# KiCad board mackerel-30-v1.kicad_pcb
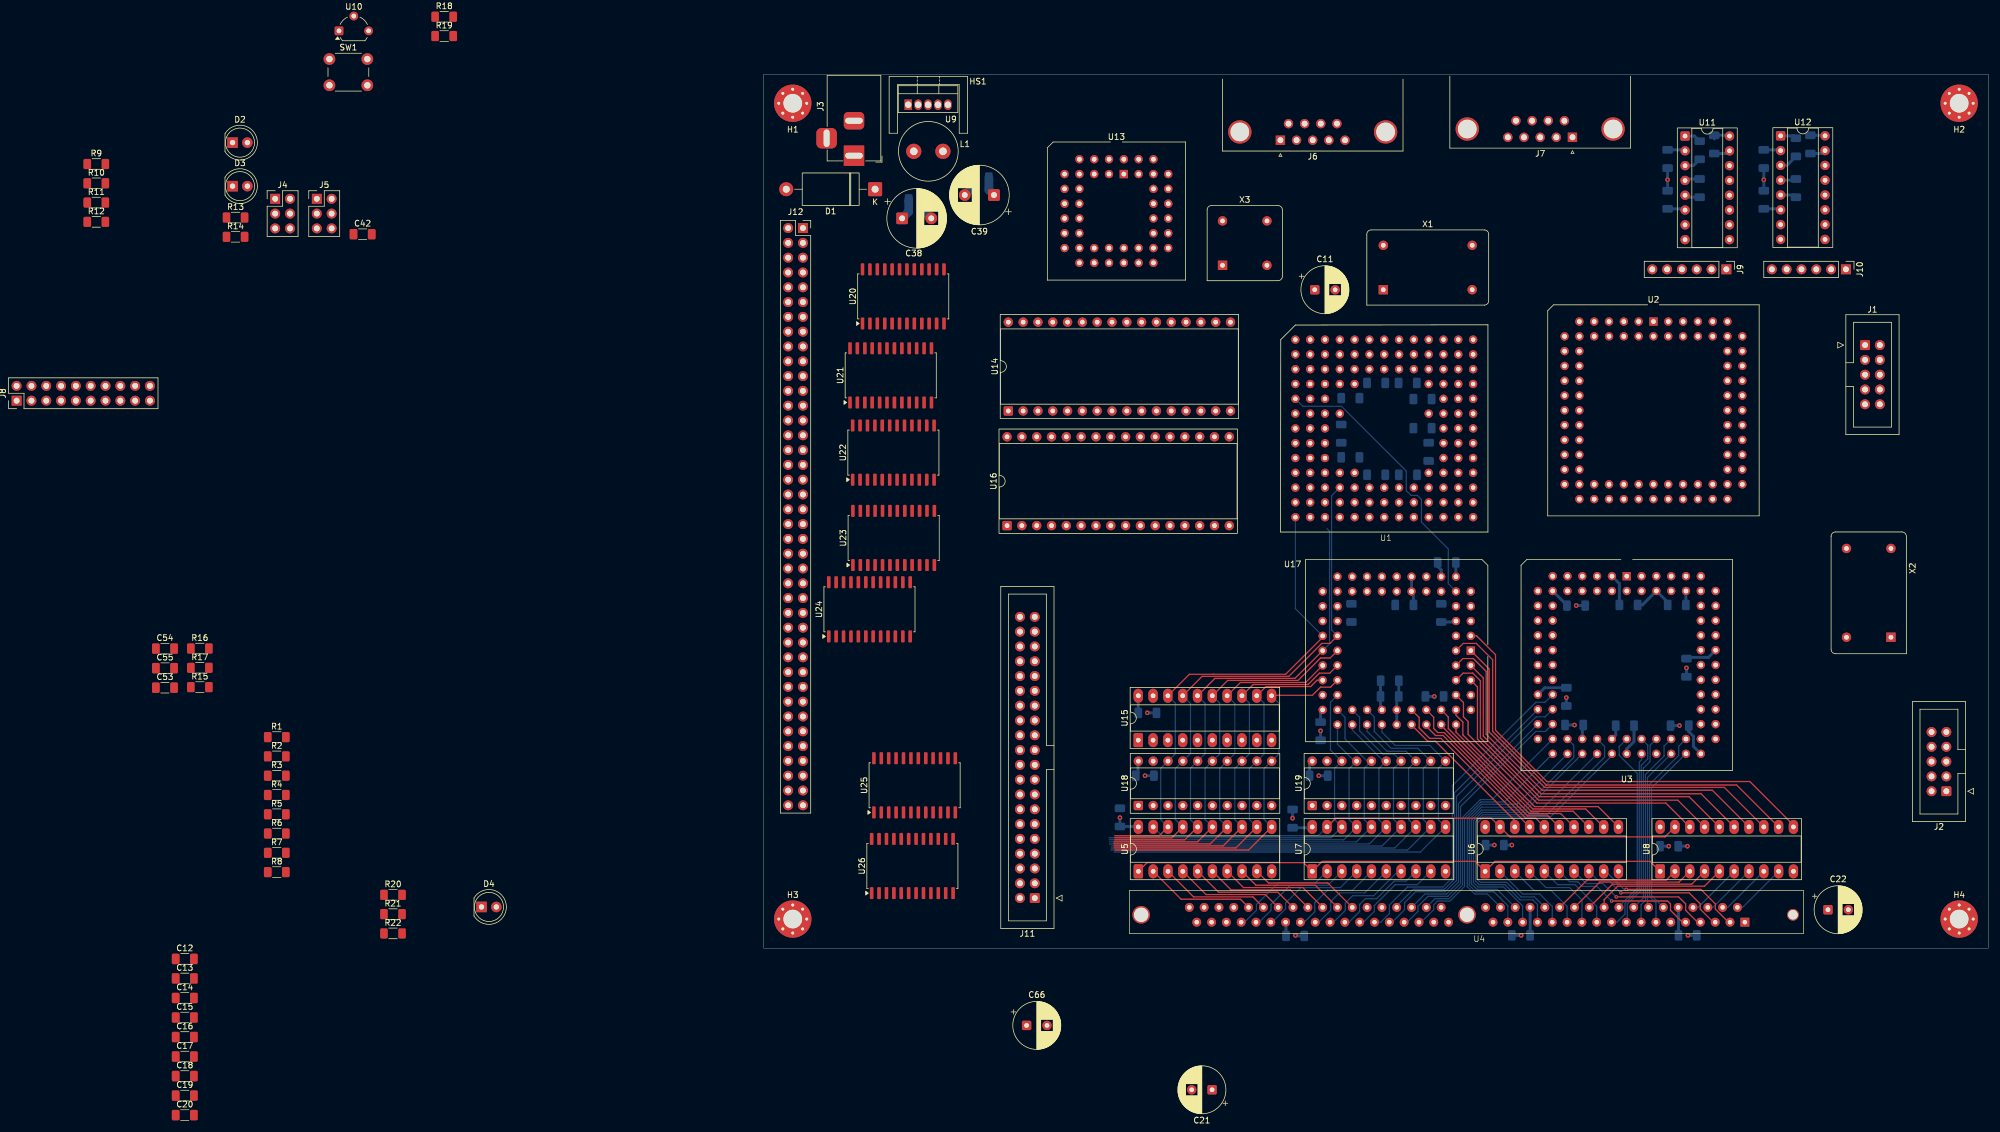
[diagram p0: board, top side]
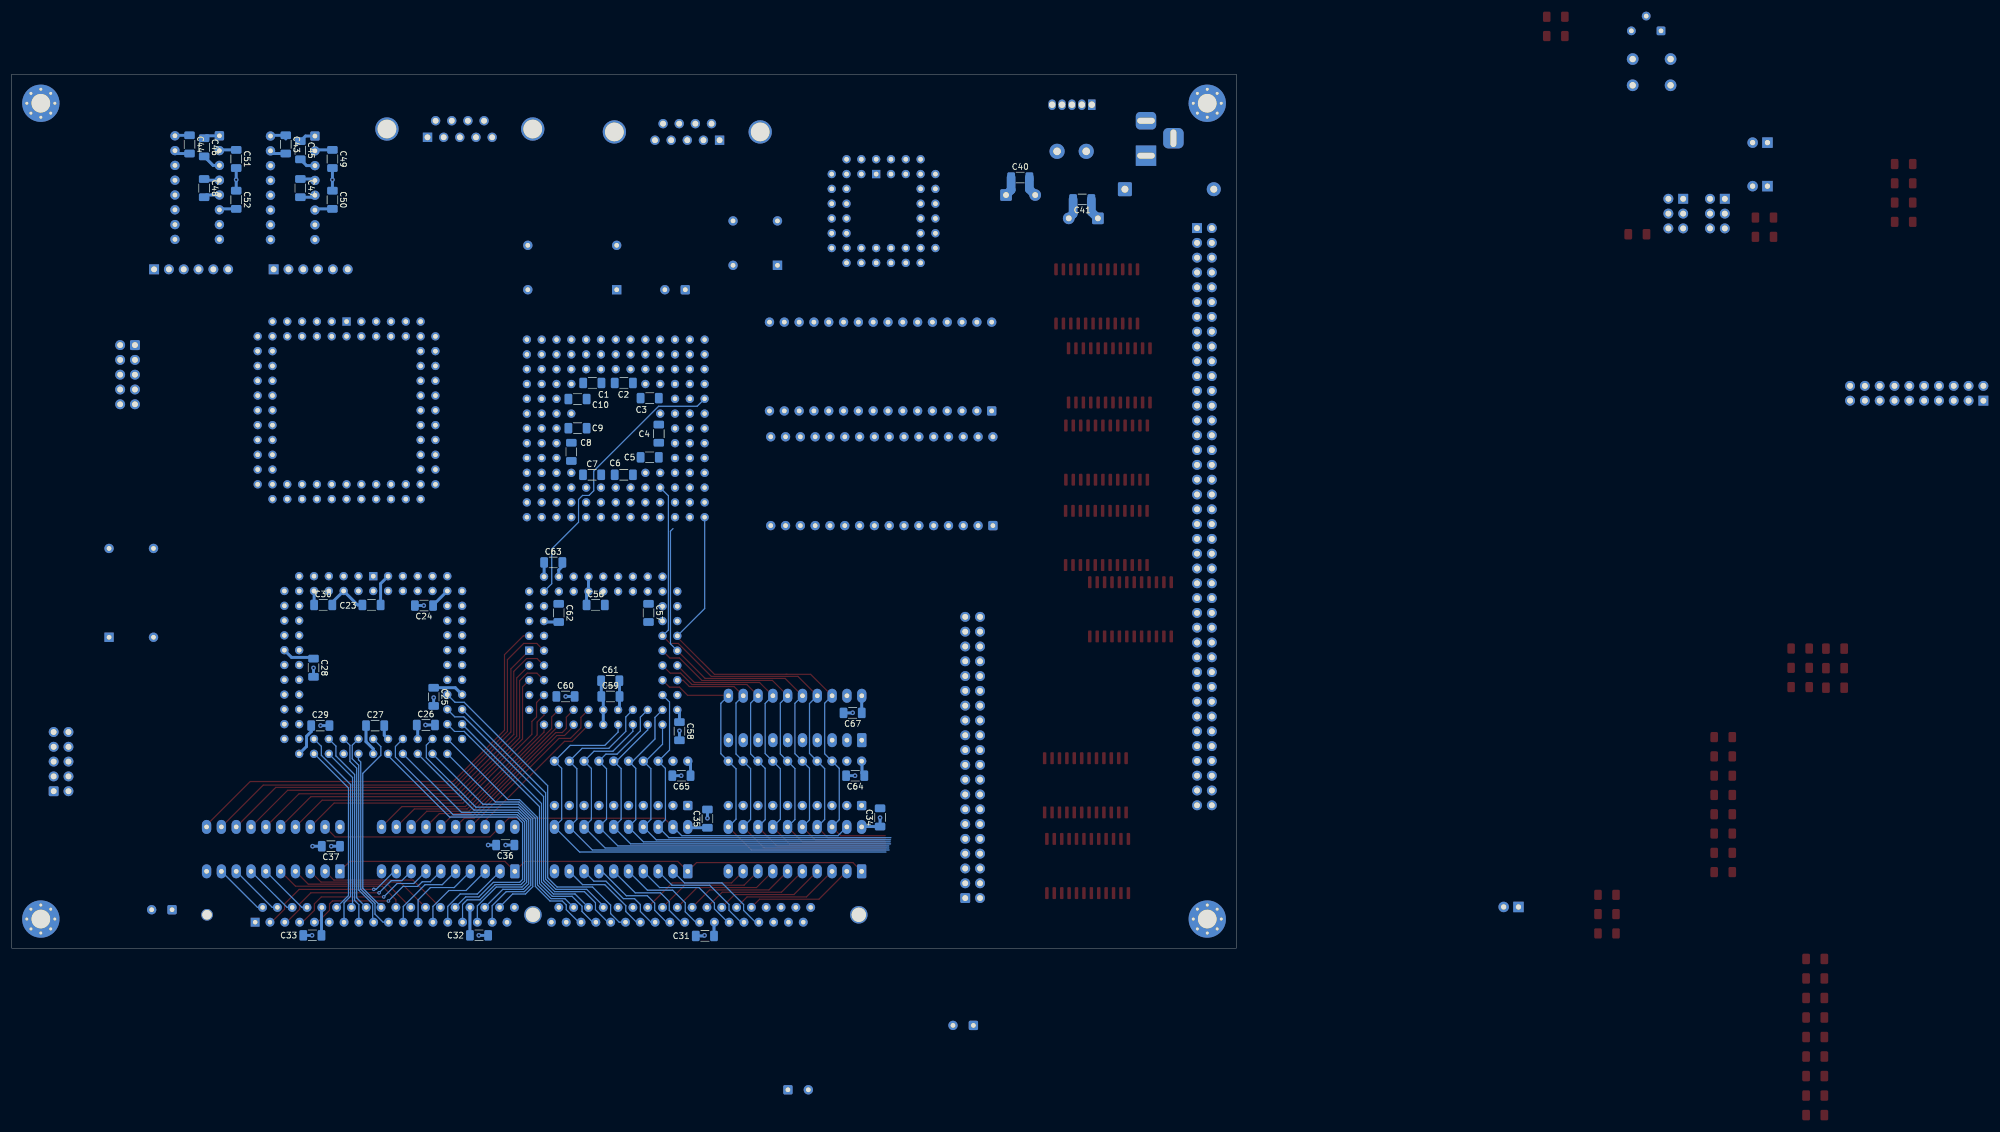
[diagram p1: board, bottom side, seen from below]

Outline 210 x 150 mm; copper layers: Top, In1.Cu, In2.Cu, Bottom. Coordinates in mm from the lower left corner of the outline.
Outline path: rectangle 0,150 210,0
Stack: Top 0.035mm / dielectric 0.1mm FR4 er 4.5 / In1.Cu 0.035mm / dielectric 1.24mm FR4 er 4.5 / In2.Cu 0.035mm / dielectric 0.1mm FR4 er 4.5 / Bottom 0.035mm

## Placement (name value [footprint] x y rotation side)
C1  0.1uF  [C_1206_3216Metric_Pad1.33x1.80mm_HandSolder]  110.44 97 180 bottom
C2  0.1uF  [C_1206_3216Metric_Pad1.33x1.80mm_HandSolder]  105.04 97 180 bottom
C3  0.1uF  [C_1206_3216Metric_Pad1.33x1.80mm_HandSolder]  100.6 94.4 0 bottom
C4  0.1uF  [C_1206_3216Metric_Pad1.33x1.80mm_HandSolder]  99.04 88.3 90 bottom
C5  0.1uF  [C_1206_3216Metric_Pad1.33x1.80mm_HandSolder]  100.6 84.24 0 bottom
C6  0.1uF  [C_1206_3216Metric_Pad1.33x1.80mm_HandSolder]  105.04 81.24 0 bottom
C7  0.1uF  [C_1206_3216Metric_Pad1.33x1.80mm_HandSolder]  110.48 81.24 180 bottom
C8  0.1uF  [C_1206_3216Metric_Pad1.33x1.80mm_HandSolder]  114.04 85.18 270 bottom
C9  0.1uF  [C_1206_3216Metric_Pad1.33x1.80mm_HandSolder]  112.98 89.24 180 bottom
C10  0.1uF  [C_1206_3216Metric_Pad1.33x1.80mm_HandSolder]  112.98 94.24 180 bottom
C11  470u  [CP_Radial_D8.0mm_P3.50mm]  94.5 113 0 top
C12  0.1uF  [C_1206_3216Metric_Pad1.33x1.80mm_HandSolder]  -99.25 -1.84 0 top
C13  0.1uF  [C_1206_3216Metric_Pad1.33x1.80mm_HandSolder]  -99.25 -5.19 0 top
C14  0.1uF  [C_1206_3216Metric_Pad1.33x1.80mm_HandSolder]  -99.25 -8.54 0 top
C15  0.1uF  [C_1206_3216Metric_Pad1.33x1.80mm_HandSolder]  -99.25 -11.9 0 top
C16  0.1uF  [C_1206_3216Metric_Pad1.33x1.80mm_HandSolder]  -99.25 -15.25 0 top
C17  0.1uF  [C_1206_3216Metric_Pad1.33x1.80mm_HandSolder]  -99.25 -18.59 0 top
C18  0.1uF  [C_1206_3216Metric_Pad1.33x1.80mm_HandSolder]  -99.25 -21.94 0 top
C19  0.1uF  [C_1206_3216Metric_Pad1.33x1.80mm_HandSolder]  -99.25 -25.29 0 top
C20  0.1uF  [C_1206_3216Metric_Pad1.33x1.80mm_HandSolder]  -99.25 -28.65 0 top
C21  470uF  [CP_Radial_D8.0mm_P3.50mm]  76.9 -24.3 180 top
C22  470uF  [CP_Radial_D8.0mm_P3.50mm]  182.5 6.6 0 top
C23  0.1uF  [C_1206_3216Metric_Pad1.33x1.80mm_HandSolder]  148.3 58.9 0 bottom
C24  0.1uF  [C_1206_3216Metric_Pad1.33x1.80mm_HandSolder]  139.3 58.8 0 bottom
C25  0.1uF  [C_1206_3216Metric_Pad1.33x1.80mm_HandSolder]  137.64 43.14 270 bottom
C26  0.1uF  [C_1206_3216Metric_Pad1.33x1.80mm_HandSolder]  138.98 38.3 180 bottom
C27  0.1uF  [C_1206_3216Metric_Pad1.33x1.80mm_HandSolder]  147.68 38.2 180 bottom
C28  0.1uF  [C_1206_3216Metric_Pad1.33x1.80mm_HandSolder]  158.24 48.14 270 bottom
C29  0.1uF  [C_1206_3216Metric_Pad1.33x1.80mm_HandSolder]  157.08 38.2 180 bottom
C30  0.1uF  [C_1206_3216Metric_Pad1.33x1.80mm_HandSolder]  156.58 58.9 180 bottom
C31  0.1uF  [C_1206_3216Metric_Pad1.33x1.80mm_HandSolder]  91.14 2.1 0 bottom
C32  0.1uF  [C_1206_3216Metric_Pad1.33x1.80mm_HandSolder]  129.86 2.2 180 bottom
C33  0.1uF  [C_1206_3216Metric_Pad1.33x1.80mm_HandSolder]  158.44 2.2 0 bottom
C34  0.1uF  [C_1206_3216Metric_Pad1.33x1.80mm_HandSolder]  61.1 22.44 90 bottom
C35  0.1uF  [C_1206_3216Metric_Pad1.33x1.80mm_HandSolder]  90.7 22.24 90 bottom
C36  0.1uF  [C_1206_3216Metric_Pad1.33x1.80mm_HandSolder]  125.36 17.7 0 bottom
C37  0.1uF  [C_1206_3216Metric_Pad1.33x1.80mm_HandSolder]  155.26 17.5 0 bottom
C38  1000uF  [CP_Radial_D10.0mm_P5.00mm]  23.75 125.25 0 top
C39  1000uF  [CP_Radial_D10.0mm_P5.00mm]  39.5 129.25 180 top
C40  0.1uF  [C_1206_3216Metric_Pad1.33x1.80mm_HandSolder]  37.06 132.25 180 bottom
C41  0.1uF  [C_1206_3216Metric_Pad1.33x1.80mm_HandSolder]  26.44 128.5 0 bottom
C42  0.01uF  [C_1206_3216Metric_Pad1.33x1.80mm_HandSolder]  -68.75 122.53 0 top
C43  0.1uF  [C_1206_3216Metric_Pad1.33x1.80mm_HandSolder]  163 137.94 270 bottom
C44  0.1uF  [C_1206_3216Metric_Pad1.33x1.80mm_HandSolder]  179.5 137.94 270 bottom
C45  0.1uF  [C_1206_3216Metric_Pad1.33x1.80mm_HandSolder]  160.5 136.94 270 bottom
C46  0.1uF  [C_1206_3216Metric_Pad1.33x1.80mm_HandSolder]  177 137.44 270 bottom
C47  0.1uF  [C_1206_3216Metric_Pad1.33x1.80mm_HandSolder]  160.5 130.44 270 bottom
C48  0.1uF  [C_1206_3216Metric_Pad1.33x1.80mm_HandSolder]  177 130.44 270 bottom
C49  0.1uF  [C_1206_3216Metric_Pad1.33x1.80mm_HandSolder]  155 135.44 270 bottom
C50  0.1uF  [C_1206_3216Metric_Pad1.33x1.80mm_HandSolder]  155 128.44 270 bottom
C51  0.1uF  [C_1206_3216Metric_Pad1.33x1.80mm_HandSolder]  171.5 135.44 270 bottom
C52  0.1uF  [C_1206_3216Metric_Pad1.33x1.80mm_HandSolder]  171.5 128.44 270 bottom
C53  0.1uF  [C_1206_3216Metric_Pad1.33x1.80mm_HandSolder]  -102.64 44.7 0 top
C54  0.1uF  [C_1206_3216Metric_Pad1.33x1.80mm_HandSolder]  -102.64 51.41 0 top
C55  0.1uF  [C_1206_3216Metric_Pad1.33x1.80mm_HandSolder]  -102.64 48.06 0 top
C56  0.1uF  [C_1206_3216Metric_Pad1.33x1.80mm_HandSolder]  109.86 58.9 180 bottom
C57  0.1uF  [C_1206_3216Metric_Pad1.33x1.80mm_HandSolder]  100.8 57.54 270 bottom
C58  0.1uF  [C_1206_3216Metric_Pad1.33x1.80mm_HandSolder]  95.5 37.24 270 bottom
C59  0.1uF  [C_1206_3216Metric_Pad1.33x1.80mm_HandSolder]  107.34 43.2 180 bottom
C60  0.1uF  [C_1206_3216Metric_Pad1.33x1.80mm_HandSolder]  115.04 43.2 180 bottom
C61  0.1uF  [C_1206_3216Metric_Pad1.33x1.80mm_HandSolder]  107.36 45.9 180 bottom
C62  0.1uF  [C_1206_3216Metric_Pad1.33x1.80mm_HandSolder]  116.2 57.54 270 bottom
C63  0.1uF  [C_1206_3216Metric_Pad1.33x1.80mm_HandSolder]  117.14 66.2 180 bottom
C64  0.1uF  [C_1206_3216Metric_Pad1.33x1.80mm_HandSolder]  65.36 29.6 0 bottom
C65  0.1uF  [C_1206_3216Metric_Pad1.33x1.80mm_HandSolder]  95.16 29.6 0 bottom
C66  470uF  [CP_Radial_D8.0mm_P3.50mm]  45.1 -13.25 0 top
C67  0.1uF  [C_1206_3216Metric_Pad1.33x1.80mm_HandSolder]  65.81 40.38 0 bottom
D1  1N5822  [D_DO-27_P15.24mm_Horizontal]  19.12 130.25 180 top
D2  LED  [LED_D5.0mm]  -91.06 138.25 0 top
D3  LED  [LED_D5.0mm]  -91.06 130.78 0 top
D4  LED  [LED_D5.0mm]  -48.36 7.07 0 top
H1  MountingHole_Pad  [MountingHole_3.2mm_M3_Pad_Via]  5 145 0 top
H2  MountingHole_Pad  [MountingHole_3.2mm_M3_Pad_Via]  205 145 0 top
H3  MountingHole_Pad  [MountingHole_3.2mm_M3_Pad_Via]  5 5 0 top
H4  MountingHole_Pad  [MountingHole_3.2mm_M3_Pad_Via]  205 5 0 top
HS1  Heatsink  [Heatsink_Stonecold_HS-S02_13.21x9.53mm]  28.25 149.5 0 top
J1  Conn_02x05_Odd_Even  [IDC-Header_2x05_P2.54mm_Vertical]  188.86 103.5 0 top
J2  Conn_02x05_Odd_Even  [IDC-Header_2x05_P2.54mm_Vertical]  202.8 26.94 180 top
J3  Barrel_Jack_MountingPin  [BarrelJack_Horizontal]  15.5 136 270 top
J4  Conn_02x03_Odd_Even  [PinHeader_2x03_P2.54mm_Vertical]  -83.75 128.6 0 top
J5  Conn_02x03_Odd_Even  [PinHeader_2x03_P2.54mm_Vertical]  -76.6 128.6 0 top
J6  DE9_Socket_MountingHoles  [DSUB-9_Socket_Horizontal_P2.77x2.84mm_EdgePinOffset7.70mm_Housed_MountingHolesOffset9.12mm]  88.61 138.66 180 top
J7  DE9_Pins_MountingHoles  [DSUB-9_Pins_Horizontal_P2.77x2.84mm_EdgePinOffset7.70mm_Housed_MountingHolesOffset9.12mm]  138.69 139.16 180 top
J8  Conn_02x10_Odd_Even  [PinHeader_2x10_P2.54mm_Vertical]  -128.08 93.96 90 top
J9  Conn_01x06  [PinHeader_1x06_P2.54mm_Vertical]  165.08 116.5 270 top
J10  Conn_01x06  [PinHeader_1x06_P2.54mm_Vertical]  185.58 116.5 270 top
J11  Conn_02x20_Odd_Even  [IDC-Header_2x20_P2.54mm_Vertical]  46.5 8.6 180 top
J12  Conn_02x40_Odd_Even  [PinSocket_2x40_P2.54mm_Vertical]  6.75 123.58 0 top
L1  100uH  [L_Radial_D10.0mm_P5.00mm_Fastron_07M]  25.75 136.75 0 top
R1  4k7  [R_1206_3216Metric_Pad1.30x1.75mm_HandSolder]  -83.47 36.22 0 top
R2  10k  [R_1206_3216Metric_Pad1.30x1.75mm_HandSolder]  -83.47 32.91 0 top
R3  10k  [R_1206_3216Metric_Pad1.30x1.75mm_HandSolder]  -83.47 29.6 0 top
R4  4k7  [R_1206_3216Metric_Pad1.30x1.75mm_HandSolder]  -83.47 26.29 0 top
R5  4k7  [R_1206_3216Metric_Pad1.30x1.75mm_HandSolder]  -83.47 22.99 0 top
R6  4k7  [R_1206_3216Metric_Pad1.30x1.75mm_HandSolder]  -83.47 19.68 0 top
R7  4k7  [R_1206_3216Metric_Pad1.30x1.75mm_HandSolder]  -83.47 16.37 0 top
R8  4k7  [R_1206_3216Metric_Pad1.30x1.75mm_HandSolder]  -83.47 13.06 0 top
R9  4k7  [R_1206_3216Metric_Pad1.30x1.75mm_HandSolder]  -114.42 134.57 0 top
R10  4k7  [R_1206_3216Metric_Pad1.30x1.75mm_HandSolder]  -114.42 131.26 0 top
R11  4k7  [R_1206_3216Metric_Pad1.30x1.75mm_HandSolder]  -114.42 127.95 0 top
R12  4k7  [R_1206_3216Metric_Pad1.30x1.75mm_HandSolder]  -114.42 124.65 0 top
R13  1k  [R_1206_3216Metric_Pad1.30x1.75mm_HandSolder]  -90.55 125.38 0 top
R14  1k  [R_1206_3216Metric_Pad1.30x1.75mm_HandSolder]  -90.55 122.08 0 top
R15  4k7  [R_1206_3216Metric_Pad1.30x1.75mm_HandSolder]  -96.67 44.81 0 top
R16  4k7  [R_1206_3216Metric_Pad1.30x1.75mm_HandSolder]  -96.67 51.42 0 top
R17  4k7  [R_1206_3216Metric_Pad1.30x1.75mm_HandSolder]  -96.67 48.11 0 top
R18  4k7  [R_1206_3216Metric_Pad1.30x1.75mm_HandSolder]  -54.77 159.84 0 top
R19  4k7  [R_1206_3216Metric_Pad1.30x1.75mm_HandSolder]  -54.77 156.53 0 top
R20  4k7  [R_1206_3216Metric_Pad1.30x1.75mm_HandSolder]  -63.55 9.16 0 top
R21  4k7  [R_1206_3216Metric_Pad1.30x1.75mm_HandSolder]  -63.55 5.84 0 top
R22  1k  [R_1206_3216Metric_Pad1.30x1.75mm_HandSolder]  -63.55 2.53 0 top
SW1  SW_Push  [SW_PUSH_6mm_H5mm]  -74.44 152.59 0 top
U1  MC68030RC  [PGA169]  91.18 104.44 0 top
U2  EPM7128  [PLCC-84_THT-Socket]  152.58 107.54 0 top
U3  EPM7128  [PLCC-84_THT-Socket]  148 63.84 0 top
U4  SIMM72  [SIMM-72]  168.25 4.46 180 top
U5  74ABT245  [DIP-20_W7.62mm_Socket_LongPads]  64.26 13.19 90 top
U6  74ABT245  [DIP-20_W7.62mm_Socket_LongPads]  123.72 13.19 90 top
U7  74ABT245  [DIP-20_W7.62mm_Socket_LongPads]  94.07 13.19 90 top
U8  74ABT245  [DIP-20_W7.62mm_Socket_LongPads]  153.72 13.19 90 top
U9  LM2576T-5  [TO-220-5_Vertical]  24.8 144.75 0 top
U10  DS1233  [TO-92L_Wide]  -72.81 157.43 0 top
U11  MAX232  [DIP-16_W7.62mm_Socket]  158 139.38 0 top
U12  MAX232  [DIP-16_W7.62mm_Socket]  174.38 139.41 0 top
U13  XR68C681  [PLCC-44_THT-Socket]  61.77 132.85 0 top
U14  SST39SF040  [DIP-32_W15.24mm_Socket]  41.96 92.2 90 top
U15  74ABT245  [DIP-20_W7.62mm_Socket_LongPads]  64.24 35.7 90 top
U16  AS6C4008-55PCN  [DIP-32_W15.24mm_Socket]  41.75 72.52 90 top
U17  MC68882  [PLCC-68_THT-Socket]  121.26 51.06 270 top
U18  74HC245  [DIP-20_W7.62mm_Socket]  64.26 24.48 90 top
U19  74HC245  [DIP-20_W7.62mm_Socket]  94.07 24.48 90 top
U20  SN74LVC8T245  [SOIC-24W_7.5x15.4mm_P1.27mm]  23.95 111.85 90 top
U21  SN74LVC8T245  [SOIC-24W_7.5x15.4mm_P1.27mm]  21.8 98.3 90 top
U22  SN74LVC8T245  [SOIC-24W_7.5x15.4mm_P1.27mm]  22.26 85.05 90 top
U23  SN74LVC8T245  [SOIC-24W_7.5x15.4mm_P1.27mm]  22.3 70.4 90 top
U24  SN74LVC8T245  [SOIC-24W_7.5x15.4mm_P1.27mm]  18.16 58.15 90 top
U25  SN74LVC8T245  [SOIC-24W_7.5x15.4mm_P1.27mm]  25.9 27.95 90 top
U26  SN74LVC8T245  [SOIC-24W_7.5x15.4mm_P1.27mm]  25.51 14.1 90 top
X1  24 MHz  [Oscillator_DIP-14]  106.26 113 0 top
X2  50 MHz  [Oscillator_DIP-14]  193.3 53.36 90 top
X3  3.6864MHz  [Oscillator_DIP-8]  78.69 117.19 0 top

## Library data of the parts
C1-C10 C12-C20 C23-C37 C40 C41 C43-C65 C67 = -: Description: capacitor, US symbol; ki_fp_filters: C_*
C11 C21 C22 C66 = -: Description: Polarized capacitor, US symbol; ki_fp_filters: CP_*
C38 C39 = -: Description: Polarized capacitor; ki_fp_filters: CP_*
C42 = -: Description: Unpolarized capacitor; ki_fp_filters: C_*
D1 = -: Description: Schottky diode; ki_fp_filters: TO-???* *_Diode_* *SingleDiode* D_*
D2-D4 = -: Description: Light emitting diode; ki_fp_filters: LED* LED_SMD:* LED_THT:*
H1-H4 = -: Description: Mounting Hole with connection; ki_fp_filters: MountingHole*Pad*
HS1 = -: ki_fp_filters: Heatsink_*
J1 J2 = -: Description: Generic connector, double row, 02x05, odd/even pin numbering scheme (row 1 odd numbers, row 2 even numbers), script generated (kicad-library-utils/schlib/autogen/connector/); ki_fp_filters: Connector*:*_2x??_*
J3 = -: Description: DC Barrel Jack with a mounting pin; ki_fp_filters: BarrelJack*
J4 J5 = -: Description: Generic connector, double row, 02x03, odd/even pin numbering scheme (row 1 odd numbers, row 2 even numbers), script generated (kicad-library-utils/schlib/autogen/connector/); ki_fp_filters: Connector*:*_2x??_*
J6 = -: Description: 9-pin D-SUB connector, socket (female), Mounting Hole; ki_fp_filters: DSUB*Socket*
J7 = -: Description: 9-pin D-SUB connector, pins (male), Mounting Hole; ki_fp_filters: DSUB*Pins*
J8 = -: Description: Generic connector, double row, 02x10, odd/even pin numbering scheme (row 1 odd numbers, row 2 even numbers), script generated (kicad-library-utils/schlib/autogen/connector/); ki_fp_filters: Connector*:*_2x??_*
J9 J10 = -: Description: Generic connector, single row, 01x06, script generated (kicad-library-utils/schlib/autogen/connector/); ki_fp_filters: Connector*:*_1x??_*
J11 = -: Description: Generic connector, double row, 02x20, odd/even pin numbering scheme (row 1 odd numbers, row 2 even numbers), script generated (kicad-library-utils/schlib/autogen/connector/); ki_fp_filters: Connector*:*_2x??_*
J12 = -: Description: Generic connector, double row, 02x40, odd/even pin numbering scheme (row 1 odd numbers, row 2 even numbers), script generated (kicad-library-utils/schlib/autogen/connector/); ki_fp_filters: Connector*:*_2x??_*
L1 = -: Description: Inductor; ki_fp_filters: Choke_* *Coil* Inductor_* L_*
R1-R22 = -: Description: Resistor; ki_fp_filters: R_*
SW1 = -: Description: Push button switch, generic, two pins
U5-U8 U15 = -: Description: Octal BUS Transceivers, 3-State outputs; ki_fp_filters: DIP?20*
U9 = -: Datasheet: http://www.ti.com/lit/ds/symlink/lm2576.pdf; Description: 5V, 3A SIMPLE SWITCHER® Step-Down Voltage Regulator, TO-220-5; ki_fp_filters: TO?220*
U11 U12 = -: Datasheet: http://www.ti.com/lit/ds/symlink/max232.pdf; Description: Dual RS232 driver/receiver, 5V supply, 120kb/s, 0C-70C; ki_fp_filters: SOIC*P1.27mm* DIP*W7.62mm* TSSOP*4.4x5mm*P0.65mm*
U14 = -: Datasheet: http://ww1.microchip.com/downloads/en/DeviceDoc/25022B.pdf; Description: Silicon Storage Technology (SSF) 512k x 8 Flash ROM
U16 = -: Datasheet: https://www.alliancememory.com/wp-content/uploads/pdf/AS6C4008.pdf; Description: 512K x 8 Low Power CMOS RAM, DIP-32; ki_fp_filters: DIP*W15.24mm*
U18 U19 = -: Datasheet: http://www.ti.com/lit/gpn/sn74HC245; Description: Octal BUS Transceivers, 3-State outputs; ki_fp_filters: DIP?20*
U20-U26 = -: Datasheet: https://www.ti.com/lit/ds/symlink/sn74lvc8t245.pdf; Description: 8-Bit Dual-Supply Bus Transceiver With Configurable Voltage Translation and 3-State Outputs; ki_fp_filters: SSOP*5.3x8.2mm* SSOP*3.9x8.7mm* TSSOP*4.4x7.8mm* TVSOP*4.4x5.0mm* Texas*VQFN*RHL*
X1 X2 = -: Datasheet: http://cdn-reichelt.de/documents/datenblatt/B400/OSZI.pdf; Description: Crystal Clock Oscillator, DIP14-style metal package; ki_fp_filters: Oscillator*DIP*14*
X3 = -: Datasheet: http://cdn-reichelt.de/documents/datenblatt/B400/OSZI.pdf; Description: Crystal Clock Oscillator, DIP8-style metal package; ki_fp_filters: Oscillator*DIP*8*

## Footprints (pads in the part's own frame, mm; a bottom-side part is the same pattern mirrored in y, then rotated)
BarrelJack_Horizontal
  rect 3.5x3.5 hole 1x3: 1(0,0)
  rrect 3x3.5 hole 1x3: 2(-6,0)
  rrect 3.5x3.5 hole 3x1: 3(-3,-4.7)
C_1206_3216Metric_Pad1.33x1.80mm_HandSolder
  rrect 1.325x1.8 smd: 1(-1.562,0) 2(1.562,0)
CP_Radial_D8.0mm_P3.50mm
  rrect 1.6x1.6 hole 0.8: 1(0,0)
  round 1.6 hole 0.8: 2(3.5,0)
CP_Radial_D10.0mm_P5.00mm
  rrect 2x2 hole 1: 1(0,0)
  round 2 hole 1: 2(5,0)
D_DO-27_P15.24mm_Horizontal
  rrect 2.4x2.4 hole 1.2: 1(0,0)
  round 2.4 hole 1.2: 2(15.24,0)
DIP-16_W7.62mm_Socket
  rrect 1.6x1.6 hole 0.8: 1(0,0)
  round 1.6 hole 0.8: 2(0,-2.54) 3(0,-5.08) 4(0,-7.62) 5(0,-10.16) 6(0,-12.7) 7(0,-15.24) 8(0,-17.78) 9(7.62,-17.78) 10(7.62,-15.24) 11(7.62,-12.7) 12(7.62,-10.16) 13(7.62,-7.62) 14(7.62,-5.08) 15(7.62,-2.54) 16(7.62,0)
DIP-20_W7.62mm_Socket
  rrect 1.6x1.6 hole 0.8: 1(0,0)
  round 1.6 hole 0.8: 2(0,-2.54) 3(0,-5.08) 4(0,-7.62) 5(0,-10.16) 6(0,-12.7) 7(0,-15.24) 8(0,-17.78) 9(0,-20.32) 10(0,-22.86) 11(7.62,-22.86) 12(7.62,-20.32) 13(7.62,-17.78) 14(7.62,-15.24) 15(7.62,-12.7) 16(7.62,-10.16) 17(7.62,-7.62) 18(7.62,-5.08) 19(7.62,-2.54) 20(7.62,0)
DIP-20_W7.62mm_Socket_LongPads
  rrect 2.4x1.6 hole 0.8: 1(0,0)
  oval 2.4x1.6 hole 0.8: 2(0,-2.54) 3(0,-5.08) 4(0,-7.62) 5(0,-10.16) 6(0,-12.7) 7(0,-15.24) 8(0,-17.78) 9(0,-20.32) 10(0,-22.86) 11(7.62,-22.86) 12(7.62,-20.32) 13(7.62,-17.78) 14(7.62,-15.24) 15(7.62,-12.7) 16(7.62,-10.16) 17(7.62,-7.62) 18(7.62,-5.08) 19(7.62,-2.54) 20(7.62,0)
DIP-32_W15.24mm_Socket
  rrect 1.6x1.6 hole 0.8: 1(0,0)
  round 1.6 hole 0.8: 2(0,-2.54) 3(0,-5.08) 4(0,-7.62) 5(0,-10.16) 6(0,-12.7) 7(0,-15.24) 8(0,-17.78) 9(0,-20.32) 10(0,-22.86) 11(0,-25.4) 12(0,-27.94) 13(0,-30.48) 14(0,-33.02) 15(0,-35.56) 16(0,-38.1) 17(15.24,-38.1) 18(15.24,-35.56) 19(15.24,-33.02) 20(15.24,-30.48) 21(15.24,-27.94) 22(15.24,-25.4) 23(15.24,-22.86) 24(15.24,-20.32) 25(15.24,-17.78) 26(15.24,-15.24) 27(15.24,-12.7) 28(15.24,-10.16) 29(15.24,-7.62) 30(15.24,-5.08) 31(15.24,-2.54) 32(15.24,0)
DSUB-9_Pins_Horizontal_P2.77x2.84mm_EdgePinOffset7.70mm_Housed_MountingHolesOffset9.12mm
  rect 1.6x1.6 hole 1: 1(0,0)
  round 1.6 hole 1: 2(2.77,0) 3(5.54,0) 4(8.31,0) 5(11.08,0) 6(1.385,-2.84) 7(4.155,-2.84) 8(6.925,-2.84) 9(9.695,-2.84)
  round 4 hole 3.2: SH(-6.96,-1.42) SH(18.04,-1.42)
DSUB-9_Socket_Horizontal_P2.77x2.84mm_EdgePinOffset7.70mm_Housed_MountingHolesOffset9.12mm
  rect 1.6x1.6 hole 1: 1(0,0)
  round 1.6 hole 1: 2(-2.77,0) 3(-5.54,0) 4(-8.31,0) 5(-11.08,0) 6(-1.385,-2.84) 7(-4.155,-2.84) 8(-6.925,-2.84) 9(-9.695,-2.84)
  round 4 hole 3.2: SH(-18.04,-1.42) SH(6.96,-1.42)
IDC-Header_2x05_P2.54mm_Vertical
  rrect 1.7x1.7 hole 1: 1(0,0)
  round 1.7 hole 1: 2(2.54,0) 3(0,-2.54) 4(2.54,-2.54) 5(0,-5.08) 6(2.54,-5.08) 7(0,-7.62) 8(2.54,-7.62) 9(0,-10.16) 10(2.54,-10.16)
IDC-Header_2x20_P2.54mm_Vertical
  rrect 1.7x1.7 hole 1: 1(0,0)
  round 1.7 hole 1: 2(2.54,0) 3(0,-2.54) 4(2.54,-2.54) 5(0,-5.08) 6(2.54,-5.08) 7(0,-7.62) 8(2.54,-7.62) 9(0,-10.16) 10(2.54,-10.16) 11(0,-12.7) 12(2.54,-12.7) 13(0,-15.24) 14(2.54,-15.24) 15(0,-17.78) 16(2.54,-17.78) 17(0,-20.32) 18(2.54,-20.32) 19(0,-22.86) 20(2.54,-22.86) 21(0,-25.4) 22(2.54,-25.4) 23(0,-27.94) 24(2.54,-27.94) 25(0,-30.48) 26(2.54,-30.48) 27(0,-33.02) 28(2.54,-33.02) 29(0,-35.56) 30(2.54,-35.56) 31(0,-38.1) 32(2.54,-38.1) 33(0,-40.64) 34(2.54,-40.64) 35(0,-43.18) 36(2.54,-43.18) 37(0,-45.72) 38(2.54,-45.72) 39(0,-48.26) 40(2.54,-48.26)
L_Radial_D10.0mm_P5.00mm_Fastron_07M
  round 2.6 hole 1.3: 1(0,0) 2(5,0)
LED_D5.0mm
  rect 1.8x1.8 hole 0.9: 1(0,0)
  round 1.8 hole 0.9: 2(2.54,0)
MountingHole_3.2mm_M3_Pad_Via
  round 0.8 hole 0.5: 1(-2.4,0) 1(-1.697,1.697) 1(-1.697,-1.697) 1(0,2.4) 1(0,-2.4) 1(1.697,1.697) 1(1.697,-1.697) 1(2.4,0)
  round 6.4 hole 3.2: 1(0,0)
Oscillator_DIP-8
  rect 1.6x1.6 hole 0.8: 1(0,0)
  round 1.6 hole 0.8: 4(7.62,0) 5(7.62,7.62) 8(0,7.62)
Oscillator_DIP-14
  rect 1.6x1.6 hole 0.8: 1(0,0)
  round 1.6 hole 0.8: 7(15.24,0) 8(15.24,7.62) 14(0,7.62)
PGA169
  round 1.422 hole 0.762: A1(0,0) A2(2.54,0) A3(5.08,0) A4(7.62,0) A5(10.16,0) A6(12.7,0) A7(15.24,0) A8(17.78,0) A9(20.32,0) A10(22.86,0) A11(25.4,0) A12(27.94,0) A13(30.48,0) B1(0,-2.54) B2(2.54,-2.54) B3(5.08,-2.54) B4(7.62,-2.54) B5(10.16,-2.54) B6(12.7,-2.54) B7(15.24,-2.54) B8(17.78,-2.54) B9(20.32,-2.54) B10(22.86,-2.54) B11(25.4,-2.54) B12(27.94,-2.54) B13(30.48,-2.54) C1(0,-5.08) C2(2.54,-5.08) C3(5.08,-5.08) C4(7.62,-5.08) C5(10.16,-5.08) C6(12.7,-5.08) C7(15.24,-5.08) C8(17.78,-5.08) C9(20.32,-5.08) C10(22.86,-5.08) C11(25.4,-5.08) C12(27.94,-5.08) C13(30.48,-5.08) D1(0,-7.62) D2(2.54,-7.62) D3(5.08,-7.62) D4(7.62,-7.62) D5(10.16,-7.62) D10(22.86,-7.62) D11(25.4,-7.62) D12(27.94,-7.62) D13(30.48,-7.62) E1(0,-10.16) E2(2.54,-10.16) E3(5.08,-10.16) E11(25.4,-10.16) E12(27.94,-10.16) E13(30.48,-10.16) F1(0,-12.7) F2(2.54,-12.7) F3(5.08,-12.7) F4(7.62,-12.7) F10(22.86,-12.7) F11(25.4,-12.7) F12(27.94,-12.7) F13(30.48,-12.7) G1(0,-15.24) G2(2.54,-15.24) G3(5.08,-15.24) G11(25.4,-15.24) G12(27.94,-15.24) G13(30.48,-15.24) H1(0,-17.78) H2(2.54,-17.78) H3(5.08,-17.78) H11(25.4,-17.78) H12(27.94,-17.78) H13(30.48,-17.78) J1(0,-20.32) J2(2.54,-20.32) J3(5.08,-20.32) J11(25.4,-20.32) J12(27.94,-20.32) J13(30.48,-20.32) K1(0,-22.86) K2(2.54,-22.86) K3(5.08,-22.86) K4(7.62,-22.86) K5(10.16,-22.86) K10(22.86,-22.86) K11(25.4,-22.86) K12(27.94,-22.86) K13(30.48,-22.86) L1(0,-25.4) L2(2.54,-25.4) L3(5.08,-25.4) L4(7.62,-25.4) L5(10.16,-25.4) L6(12.7,-25.4) L7(15.24,-25.4) L8(17.78,-25.4) L9(20.32,-25.4) L10(22.86,-25.4) L11(25.4,-25.4) L12(27.94,-25.4) L13(30.48,-25.4) M1(0,-27.94) M2(2.54,-27.94) M3(5.08,-27.94) M4(7.62,-27.94) M5(10.16,-27.94) M6(12.7,-27.94) M7(15.24,-27.94) M8(17.78,-27.94) M9(20.32,-27.94) M10(22.86,-27.94) M11(25.4,-27.94) M12(27.94,-27.94) M13(30.48,-27.94) N1(0,-30.48) N2(2.54,-30.48) N3(5.08,-30.48) N4(7.62,-30.48) N5(10.16,-30.48) N6(12.7,-30.48) N7(15.24,-30.48) N8(17.78,-30.48) N9(20.32,-30.48) N10(22.86,-30.48) N11(25.4,-30.48) N12(27.94,-30.48) N13(30.48,-30.48)